# Altium PCB top_LM_v1.PcbDoc (part 3 of 5)
Units mil, origin at the board's own origin, x right, y up, seen from the top; angles counter-clockwise.
Board outline 13413.03 x 6200.01 mil, 2 copper layers (Top Layer, Bottom Layer); 748 components, 568 nets, 1910 pads, 545 vias.
Unrouted connection lines stored in the file: 211.
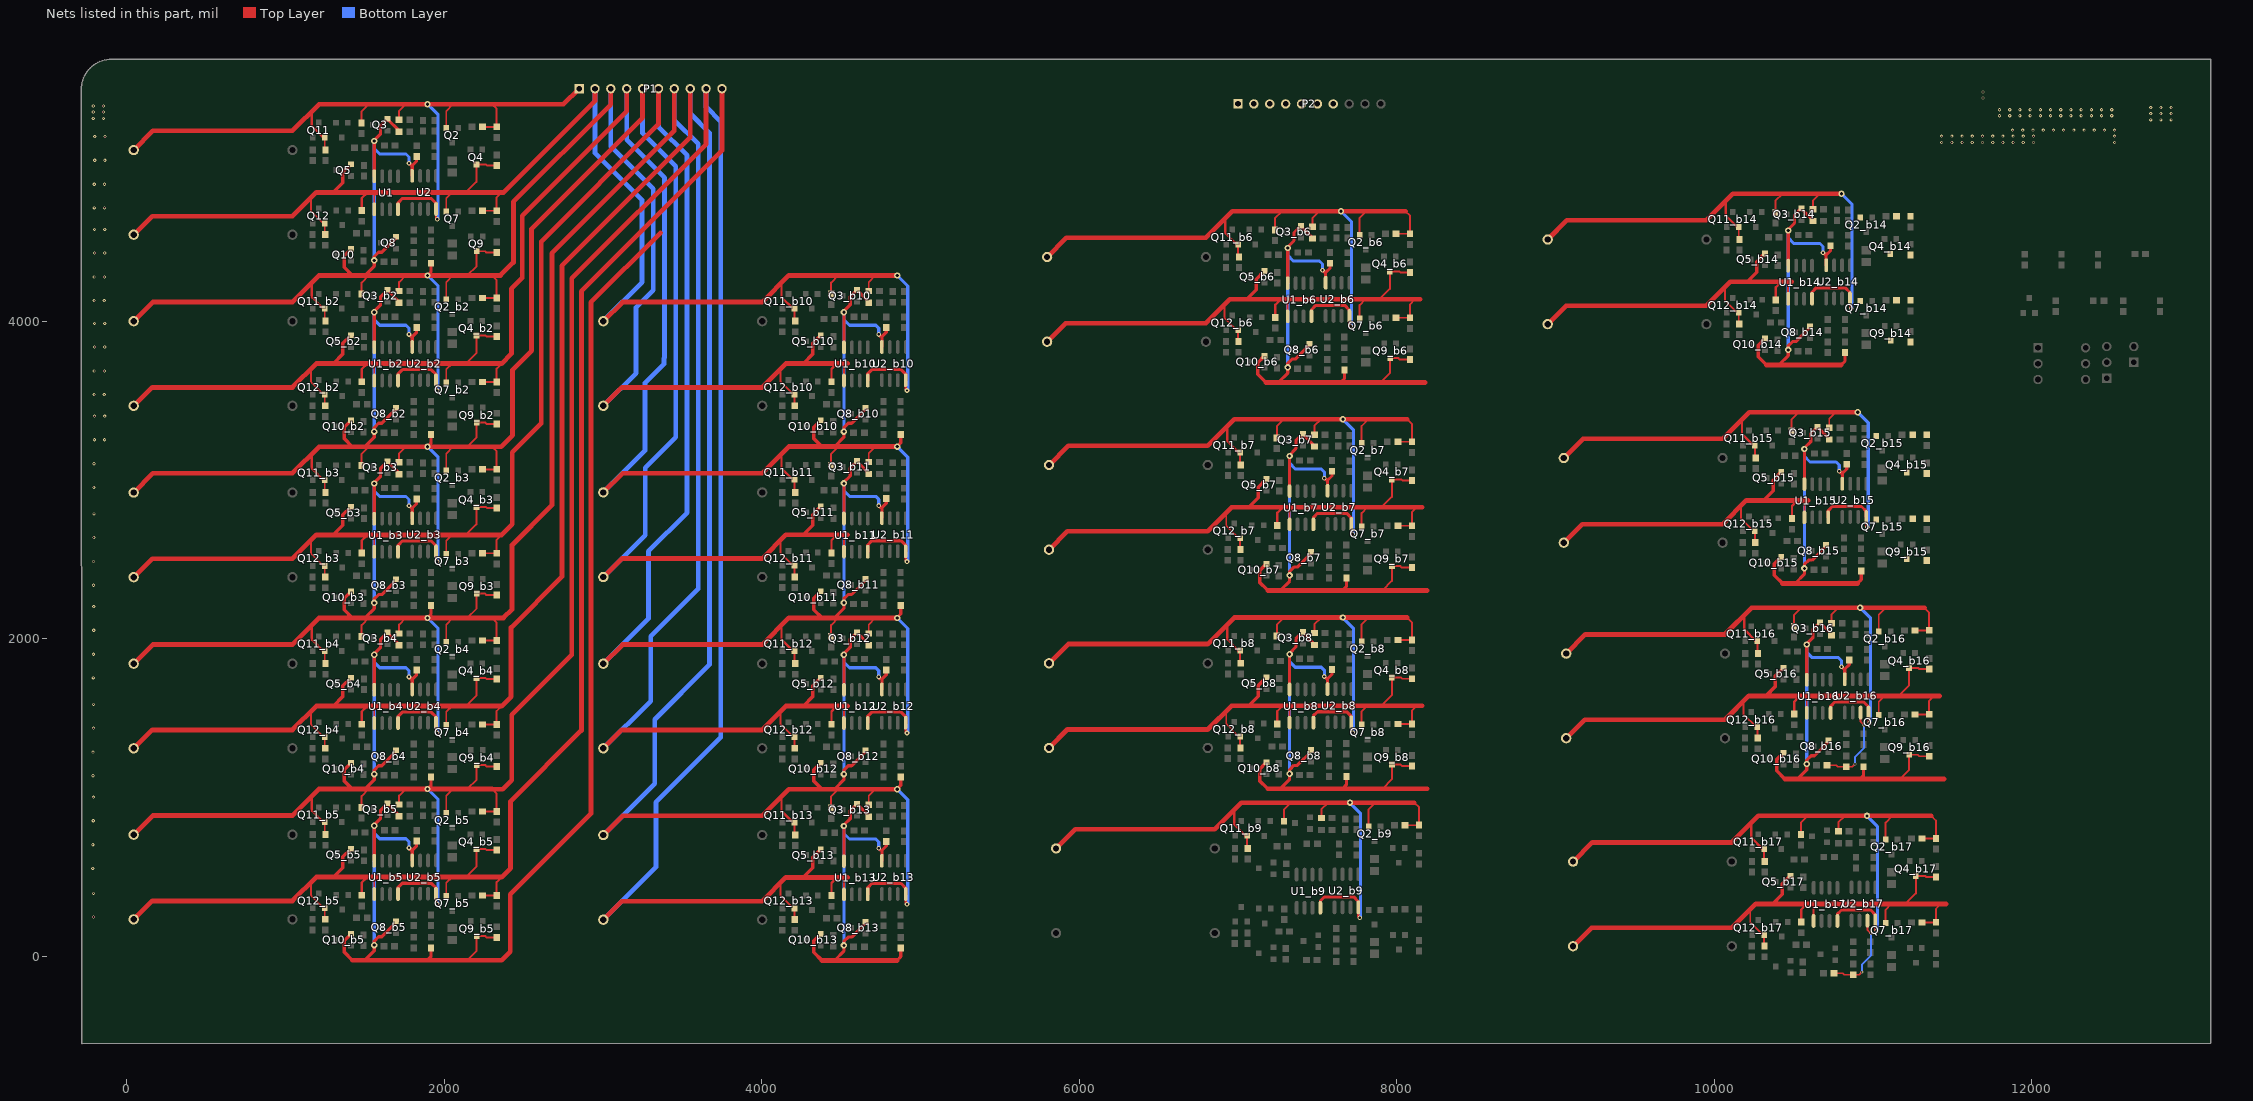
[diagram p3: the nets of this part, all layers, seen from the top]

## Via types
v1: diameter 20, hole 10, Top Layer to Bottom Layer, 458 vias
v2: diameter 40, hole 20, Top Layer to Bottom Layer, 51 vias
v3: diameter 30, hole 15, Top Layer to Bottom Layer, 34 vias
v4: diameter 125.98, hole 125.98, Top Layer to Bottom Layer, 2 vias

## Nets (pads, with @x,y where several pads share a name; then routed paths per layer and width w, separated by ;. In a path a pad name is that pad's centre, name@x,y a point inside that pad or via, vN(x,y) a via of type N, cw(c..) or ccw(c..) an arc to the next point about the centre after c; other vN are vias at no path point) (continued)
G1_VC2_DISCH_b16: R22_b16.1 R50_b16.2 U2_b16.7 | length 543.2
  Top Layer w12: R22_b16.1@10710.46,1203 10767,1203 10776.46,1193.54 R50_b16.2@10831,1193.54 10868.54,1193.54 v1(10886,1211) ; U2_b16.7@10921,1534.79 10921,1477 v1(10943,1455)
  Bottom Layer w12: v1(10886,1211) 10886,1256 10943,1313 v1(10943,1455)
G1_VC2_DISCH_b17: R22_b17.1 R50_b17.2 U2_b17.7 | length 543.2
  Top Layer w12: R22_b17.1@10753.46,-107 10810,-107 10819.46,-116.46 R50_b17.2@10874,-116.46 10911.54,-116.46 v1(10929,-99) ; U2_b17.7@10964,224.79 10964,167 v1(10986,145)
  Bottom Layer w12: v1(10929,-99) 10929,-54 10986,3 v1(10986,145)
GND: 
  other v1: -208.25,247 -208,396 -212.25,553 -212,702 -209.25,853 -209,1002 -211.25,1137 -211,1286 -208.25,1437 -208,1586 -209.25,1753 -209,1902 -206.25,2053 -206,2202 -208.25,2337 -208,2486 -205.25,2637 -205,2786 -205.25,2953 -205,3102 -202.25,3253 -138,3253 -202,3402 -137.75,3402 -204.25,3537 -140,3537 -204,3686 -139.75,3686 -201.25,3837 -137,3837 -201,3986 -136.75,3986 -204.25,4129 -140,4129 -204,4278 -139.75,4278 -201.25,4429 -137,4429 -201,4578 -136.75,4578 -203.25,4713 -139,4713 -203,4862 -138.75,4862 -200.25,5013 -136,5013 11431.5,5125 11495.75,5125 11560,5125 11624.25,5125 11688.5,5125 11752.75,5125 11817,5125 11881.25,5125 11945.5,5125 12009.75,5125 12521,5125 -200,5162 -135.75,5162 11431.5,5165 11495.75,5165 11560,5165 11624.25,5165 11688.5,5165 11752.75,5165 11817,5165 11881.25,5165 11945.5,5165 12009.75,5165 12521,5165 11878.5,5203 11942.75,5203 12007,5203 12071.25,5203 12135.5,5203 12199.75,5203 12264,5203 12328.25,5203 12392.5,5203 12456.75,5203 12521,5203 12748,5267 12812.25,5267 12876.5,5267 -210,5277 -145.75,5277 11796,5293 11860.25,5293 11924.5,5293 11988.75,5293 12053,5293 12117.25,5293 12181.5,5293 12245.75,5293 12310,5293 12374.25,5293 12438.5,5293 12502.75,5293 12748,5307 12812.25,5307 12876.5,5307 -210,5317 -145.75,5317 11796,5331 11860.25,5331 11924.5,5331 11988.75,5331 12053,5331 12117.25,5331 12181.5,5331 12245.75,5331 12310,5331 12374.25,5331 12438.5,5331 12502.75,5331 12748,5345 12812.25,5345 12876.5,5345 -210,5355 -145.75,5355 11692,5405 11692,5443
IN_A0: P1.1 Q2.2 Q11.2 R1.2 R6.2 R7.2 R8.2 R9.2 R40.1 U1.8 U2.8 | length 5067.1
  Top Layer w12: Q11.2@1248.4,5157 1248.4,5082.32 R40.1@1253,5077.72 ; R6.2@1479.87,5248.46 1479.87,5320.79 1524.61,5365.54 ; R9.2@1716.54,5268.26 1716.54,5324.07 1758,5365.54 ; Q2.2@2013.26,5216 Q2.2@2013.46,5215.8 2013.46,5323 2056,5365.54 ; R7.2@2242.33,5223.54 2330.4,5223.54 R8.2@2330.87,5224 2330.87,5335.92 2301.25,5365.54
  Top Layer w15: 1167,5314.79 1167,5228.82 Q11.2@1238.82,5157 ; U2.8@1949,4706.05 1949,4649.26 v3(1957,4641.26)
  Top Layer w20: Q11.2@1238.82,5157 Q11.2@1248.4,5157 ; U1.8@1710,4703.77 1710,4746.26 1736,4772.26 1920,4772.26 1949,4743.26 U2.8@1949,4706.05
  Top Layer w30: R1.2@45,5077.26 166.02,5198.28 1045,5198.28 1212.25,5365.54 1524.61,5365.54 1758,5365.54 v2(1895.87,5365.54) 2056,5365.54 2301.25,5365.54 2751.54,5365.54 P1.1@2850,5464
  Bottom Layer w20: v2(1895.87,5365.54) 1962,5299.4 1962,4646.26 v3(1957,4641.26)
IN_A1: P1.3 Q2_b2.2 Q3.2 Q5_b10.2 Q8.2 Q9.3 Q10.2 Q11_b2.2 Q12_b10.2 R1_b2.2 R6_b2.2 R7_b2.2 R8_b2.2 R9_b2.2 R12.1 R14_b10.2 R19_b10.2 R24.1 R40_b2.1 R42_b10.1 R44.2 R48.2 U1.4 U1_b2.8 U1_b10.5 U2.4 U2_b2.8 | length 14139.1
  Top Layer w12: Q11_b2.2@1248.4,4079 1248.4,4004.32 R40_b2.1@1253,3999.72 ; R6_b2.2@1479.87,4170.46 1479.87,4242.79 1524.54,4287.46 1524.61,4287.54 ; R9_b2.2@1716.54,4190.26 1716.54,4246.07 1757.93,4287.46 1758,4287.54 ; Q2_b2.2@2013.26,4138 Q2_b2.2@2013.46,4137.8 2013.46,4245 2055.93,4287.46 2056,4287.54 ; 2145.25,4287.46 2145.32,4287.54 2204.87,4347.08 Q9.3@2204.87,4440.28 2257.61,4440.28 2266.81,4431.07 R24.1@2330.87,4431.07 ; R7_b2.2@2242.33,4145.54 2330.4,4145.54 R8_b2.2@2330.87,4146 2330.87,4257.92 2301.32,4287.46 2301.25,4287.54 ; 4119,3697.04 4119,3617.26 4198.26,3538 Q12_b10.2@4206.4,3538 4206.4,3469.32 R42_b10.1@4209,3466.72 ; U1_b10.5@4518,3625.77 4518,3710.54 4540,3732.54
  Top Layer w15: 1167,4236.79 1167,4150.82 Q11_b2.2@1238.82,4079 ; U2_b2.8@1949,3628.05 1949,3571.26 v3(1957,3563.26) ; R19_b10.2@4439.87,3618 4439.87,3697.54 4474.87,3732.54 4478.87,3732.54
  Top Layer w20: Q11_b2.2@1238.82,4079 Q11_b2.2@1248.4,4079 ; 1503.87,4290.07 1560,4346.2 v2(1560,4382.26) 1560,4407.26 1587,4434.26 1608.44,4434.26 1696.26,4522.08 Q8.2@1696.26,4531.66 ; 1523.87,4286.54 1524.8,4287.46 ; U1.4@1560,4912.75 v2(1560,5134.26) 1560,5140.26 1600,5180.26 1600,5231.4 Q3.2@1643.26,5274.66 1643.26,5271.91 1716.54,5198.64 R12.1@1716.54,5193.26 ; U1_b2.8@1710,3625.77 1710,3668.26 1736,3694.26 1920,3694.26 1949,3665.26 U2_b2.8@1949,3628.05 ; v3(1779,4994.26) 1793,4980.26 1799,4980.26 ; U2.4@1799,4915.02 1799,4980.26 ; R48.2@1827,5037.8 1827,5008.26 1799,4980.26 ; v2@1894,4287.46 1894.07,4287.54 1918,4311.46 R44.2@1918,4364.8
  Top Layer w22: Q10.2@1414.13,4453.94 1370.87,4410.68 1370.87,4338.54 1421.87,4287.54 1421.94,4287.46 ; 4260.87,3732.54 4320.87,3792.54 4320.87,3859.68 Q5_b10.2@4372.13,3910.94
  Top Layer w30: R1_b2.2@45,3999.26 166.02,4120.28 1045,4120.28 1212.25,4287.54 1421.87,4287.54 1524.61,4287.54 1758,4287.54 1894.07,4287.54 v2(1895.87,4287.54) 2056,4287.54 2145.32,4287.54 2289.07,4287.54 ; 1421.94,4287.46 1524.54,4287.46 1524.8,4287.46 1757.93,4287.46 1894,4287.46 2055.93,4287.46 2145.25,4287.46 2289,4287.46 ; 2301.25,4287.54 2289.07,4287.54 ; R14_b10.2@3003,3466.26 3119.28,3582.54 4003,3582.54 4153,3732.54 4260.87,3732.54 4474.87,3732.54 ; P1.3@3050,5464 3050,5363.58 2437,4750.58 2437,4369.46 2355,4287.46 2301.32,4287.46 2289,4287.46 ; 4478.87,3732.54 4540,3732.54 ; 2289,4287.46 2289.07,4287.54
  Bottom Layer w20: v2(1560,4382.26) 1560,5087.26 ; v2(1560,5134.26) 1560,5087.26 ; v3(1779,4994.26) 1779,5033.26 1760,5052.26 1595,5052.26 1560,5087.26 ; v2(1895.87,4287.54) 1962,4221.4 1962,3568.26 v3(1957,3563.26)
  Bottom Layer w30: R14_b10.2@3003,3466.26 3209,3672.26 3209,4086.26 3317.74,4195 3317.74,4832.74 3050,5100.47 P1.3@3050,5464
IN_A2: P1.5 Q2_b3.2 Q3_b2.2 Q5_b11.2 Q8_b2.2 Q9_b2.3 Q10_b2.2 Q11_b3.2 Q12_b11.2 R1_b3.2 R6_b3.2 R7_b3.2 R8_b3.2 R9_b3.2 R12_b2.1 R14_b11.2 R19_b11.2 R24_b2.1 R40_b3.1 R42_b11.1 R44_b2.2 R48_b2.2 U1_b2.4 U1_b3.8 U1_b11.5 U2_b2.4 U2_b3.8 | length 16414.5
  Top Layer w12: Q11_b3.2@1248.4,3000 1248.4,2925.32 R40_b3.1@1253,2920.72 ; R6_b3.2@1479.87,3091.46 1479.87,3163.79 1524.61,3208.54 ; R9_b3.2@1716.54,3111.26 1716.54,3167.07 1758,3208.54 ; Q2_b3.2@2013.26,3059 Q2_b3.2@2013.46,3058.8 2013.46,3166 2056,3208.54 ; 2145.25,3209.46 2204.87,3269.08 Q9_b2.3@2204.87,3362.28 2257.61,3362.28 2266.81,3353.07 R24_b2.1@2330.87,3353.07 ; R7_b3.2@2242.33,3066.54 2330.4,3066.54 R8_b3.2@2330.87,3067 2330.87,3178.92 2301.25,3208.54 ; 4119,2619.04 4119,2539.26 4198.26,2460 Q12_b11.2@4206.4,2460 4206.4,2391.32 R42_b11.1@4209,2388.72 ; U1_b11.5@4518,2547.77 4518,2632.54 4540,2654.54
  Top Layer w15: 1167,3157.79 1167,3071.82 Q11_b3.2@1238.82,3000 ; U2_b3.8@1949,2549.05 1949,2492.26 v3(1957,2484.26) ; R19_b11.2@4439.87,2540 4439.87,2619.54 4474.87,2654.54 4478.87,2654.54
  Top Layer w20: Q11_b3.2@1238.82,3000 Q11_b3.2@1248.4,3000 ; 1503.87,3212.07 1560,3268.2 v2(1560,3304.26) 1560,3329.26 1587,3356.26 1608.44,3356.26 1696.26,3444.08 Q8_b2.2@1696.26,3453.66 ; 1523.87,3208.54 1524.8,3209.46 ; U1_b2.4@1560,3834.75 v2(1560,4056.26) 1560,4062.26 1600,4102.26 1600,4153.4 Q3_b2.2@1643.26,4196.66 1643.26,4193.91 1716.54,4120.64 R12_b2.1@1716.54,4115.26 ; U1_b3.8@1710,2546.77 1710,2589.26 1736,2615.26 1920,2615.26 1949,2586.26 U2_b3.8@1949,2549.05 ; v3(1779,3916.26) 1793,3902.26 1799,3902.26 ; U2_b2.4@1799,3837.02 1799,3902.26 ; R48_b2.2@1827,3959.8 1827,3930.26 1799,3902.26 ; v2@1894,3209.46 1918,3233.46 R44_b2.2@1918,3286.8
  Top Layer w22: Q10_b2.2@1414.13,3375.94 1370.87,3332.68 1370.87,3260.54 1421.94,3209.46 ; 4260.87,2654.54 4320.87,2714.54 4320.87,2781.68 Q5_b11.2@4372.13,2832.94
  Top Layer w30: R1_b3.2@45,2920.26 166.02,3041.28 1045,3041.28 1212.25,3208.54 1523.87,3208.54 1524.61,3208.54 1758,3208.54 v2(1895.87,3208.54) 2056,3208.54 2301.25,3208.54 ; 1421.94,3209.46 1524.8,3209.46 1894,3209.46 2145.25,3209.46 2359,3209.46 2431,3281.46 2431,3694 2551,3814 2551,4581.74 3250,5280.74 P1.5@3250,5464 ; R14_b11.2@3003,2388.26 3119.28,2504.54 4003,2504.54 4153,2654.54 4260.87,2654.54 4474.87,2654.54 ; 4478.87,2654.54 4540,2654.54
  Bottom Layer w20: v2(1560,3304.26) 1560,4009.26 ; v2(1560,4056.26) 1560,4009.26 ; v3(1779,3916.26) 1779,3955.26 1760,3974.26 1595,3974.26 1560,4009.26 ; v2(1895.87,3208.54) 1962,3142.4 1962,2489.26 v3(1957,2484.26)
  Bottom Layer w30: R14_b11.2@3003,2388.26 3267,2652.26 3267,3077 3459.16,3269.16 3459.16,4974.16 3250,5183.31 P1.5@3250,5464
IN_A3: P1.7 Q2_b4.2 Q3_b3.2 Q5_b12.2 Q8_b3.2 Q9_b3.3 Q10_b3.2 Q11_b4.2 Q12_b12.2 R1_b4.2 R6_b4.2 R7_b4.2 R8_b4.2 R9_b4.2 R12_b3.1 R14_b12.2 R19_b12.2 R24_b3.1 R40_b4.1 R42_b12.1 R44_b3.2 R48_b3.2 U1_b3.4 U1_b4.8 U1_b12.5 U2_b3.4 U2_b4.8 | length 18698.5
  Top Layer w12: Q11_b4.2@1248.4,1922 1248.4,1847.32 R40_b4.1@1253,1842.72 ; R6_b4.2@1479.87,2013.46 1479.87,2085.79 1524.54,2130.46 1524.61,2130.54 ; R9_b4.2@1716.54,2033.26 1716.54,2089.07 1757.93,2130.46 1758,2130.54 ; Q2_b4.2@2013.26,1981 Q2_b4.2@2013.46,1980.8 2013.46,2088 2055.93,2130.46 2056,2130.54 ; 2145.25,2130.46 2145.32,2130.54 2204.87,2190.08 Q9_b3.3@2204.87,2283.28 2257.61,2283.28 2266.81,2274.07 R24_b3.1@2330.87,2274.07 ; R7_b4.2@2242.33,1988.54 2330.4,1988.54 R8_b4.2@2330.87,1989 2330.87,2100.92 2301.32,2130.46 2301.25,2130.54 ; 4119,1540.04 4119,1460.26 4198.26,1381 Q12_b12.2@4206.4,1381 4206.4,1312.32 R42_b12.1@4209,1309.72 ; U1_b12.5@4518,1468.77 4518,1553.54 4540,1575.54
  Top Layer w15: 1167,2079.79 1167,1993.82 Q11_b4.2@1238.82,1922 ; U2_b4.8@1949,1471.05 1949,1414.26 v3(1957,1406.26) ; R19_b12.2@4439.87,1461 4439.87,1540.54 4474.87,1575.54 4478.87,1575.54
  Top Layer w20: Q11_b4.2@1238.82,1922 Q11_b4.2@1248.4,1922 ; 1503.87,2133.07 1560,2189.2 v2(1560,2225.26) 1560,2250.26 1587,2277.26 1608.44,2277.26 1696.26,2365.08 Q8_b3.2@1696.26,2374.66 ; 1523.87,2129.54 1524.8,2130.46 ; U1_b3.4@1560,2755.75 v2(1560,2977.26) 1560,2983.26 1600,3023.26 1600,3074.4 Q3_b3.2@1643.26,3117.66 1643.26,3114.91 1716.54,3041.64 R12_b3.1@1716.54,3036.26 ; U1_b4.8@1710,1468.77 1710,1511.26 1736,1537.26 1920,1537.26 1949,1508.26 U2_b4.8@1949,1471.05 ; v3(1779,2837.26) 1793,2823.26 1799,2823.26 ; U2_b3.4@1799,2758.02 1799,2823.26 ; R48_b3.2@1827,2880.8 1827,2851.26 1799,2823.26 ; v2@1894,2130.46 1894.07,2130.54 1918,2154.46 R44_b3.2@1918,2207.8
  Top Layer w22: Q10_b3.2@1414.13,2296.94 1370.87,2253.68 1370.87,2181.54 1421.87,2130.54 1421.94,2130.46 ; 4260.87,1575.54 4320.87,1635.54 4320.87,1702.68 Q5_b12.2@4372.13,1753.94
  Top Layer w30: R1_b4.2@45,1842.26 166.02,1963.28 1045,1963.28 1212.25,2130.54 1421.87,2130.54 1524.61,2130.54 1758,2130.54 1894.07,2130.54 v2(1895.87,2130.54) 2056,2130.54 2145.32,2130.54 2301.25,2130.54 ; 1421.94,2130.46 1524.54,2130.46 1524.8,2130.46 1757.93,2130.46 1894,2130.46 2055.93,2130.46 2145.25,2130.46 2301.32,2130.46 2374,2130.46 2428,2184.46 2428,2590 2679,2841 2679,4426.89 3450,5197.89 P1.7@3450,5464 ; R14_b12.2@3003,1309.26 3119.28,1425.54 4003,1425.54 4153,1575.54 4260.87,1575.54 4474.87,1575.54 ; 4478.87,1575.54 4540,1575.54
  Bottom Layer w20: v2(1560,2225.26) 1560,2930.26 ; v2(1560,2977.26) 1560,2930.26 ; v3(1779,2837.26) 1779,2876.26 1760,2895.26 1595,2895.26 1560,2930.26 ; v2(1895.87,2130.54) 1962,2064.4 1962,1411.26 v3(1957,1406.26)
  Bottom Layer w30: R14_b12.2@3003,1309.26 3301,1607.26 3301,2014 3600.58,2313.58 3600.58,5115.58 3450,5266.16 P1.7@3450,5464
IN_A4: P1.9 Q2_b5.2 Q3_b4.2 Q5_b13.2 Q8_b4.2 Q9_b4.3 Q10_b4.2 Q11_b5.2 Q12_b13.2 R1_b5.2 R6_b5.2 R7_b5.2 R8_b5.2 R9_b5.2 R12_b4.1 R14_b13.2 R19_b13.2 R24_b4.1 R40_b5.1 R42_b13.1 R44_b4.2 R48_b4.2 U1_b4.4 U1_b5.8 U1_b13.5 U2_b4.4 U2_b5.8 | length 20970.3
  Top Layer w12: Q11_b5.2@1248.4,845 1248.4,770.32 R40_b5.1@1253,765.72 ; R6_b5.2@1479.87,936.46 1479.87,1008.79 1523.54,1052.46 1524.61,1053.54 ; R9_b5.2@1716.54,956.26 1716.54,1012.07 1756.93,1052.46 1758,1053.54 ; Q2_b5.2@2013.26,904 Q2_b5.2@2013.46,903.8 2013.46,1011 2054.93,1052.46 2056,1053.54 ; 2145.25,1052.46 2146.32,1053.54 2204.87,1112.08 Q9_b4.3@2204.87,1205.28 2257.61,1205.28 2266.81,1196.07 R24_b4.1@2330.87,1196.07 ; R7_b5.2@2242.33,911.54 2330.4,911.54 R8_b5.2@2330.87,912 2330.87,1023.92 2302.32,1052.46 2301.25,1053.54 ; 4119,461.04 4119,381.26 4198.26,302 Q12_b13.2@4206.4,302 4206.4,233.32 R42_b13.1@4209,230.72 ; U1_b13.5@4518,389.77 4518,474.54 4540,496.54
  Top Layer w15: 1167,1002.79 1167,916.82 Q11_b5.2@1238.82,845 ; U2_b5.8@1949,394.05 1949,337.26 v3(1957,329.26) ; R19_b13.2@4439.87,382 4439.87,461.54 4474.87,496.54 4478.87,496.54
  Top Layer w20: Q11_b5.2@1238.82,845 Q11_b5.2@1248.4,845 ; 1503.87,1055.07 1560,1111.2 v2(1560,1147.26) 1560,1172.26 1587,1199.26 1608.44,1199.26 1696.26,1287.08 Q8_b4.2@1696.26,1296.66 ; 1523.87,1051.54 1524.8,1052.46 ; U1_b4.4@1560,1677.75 v2(1560,1899.26) 1560,1905.26 1600,1945.26 1600,1996.4 Q3_b4.2@1643.26,2039.66 1643.26,2036.91 1716.54,1963.64 R12_b4.1@1716.54,1958.26 ; U1_b5.8@1710,391.77 1710,434.26 1736,460.26 1920,460.26 1949,431.26 U2_b5.8@1949,394.05 ; v3(1779,1759.26) 1793,1745.26 1799,1745.26 ; U2_b4.4@1799,1680.02 1799,1745.26 ; R48_b4.2@1827,1802.8 1827,1773.26 1799,1745.26 ; v2@1894,1052.46 1895.07,1053.54 1918,1076.46 R44_b4.2@1918,1129.8
  Top Layer w22: Q10_b4.2@1414.13,1218.94 1370.87,1175.68 1370.87,1103.54 1420.87,1053.54 1421.94,1052.46 ; 4260.87,496.54 4320.87,556.54 4320.87,623.68 Q5_b13.2@4372.13,674.94
  Top Layer w30: R1_b5.2@45,765.26 166.02,886.28 1045,886.28 1212.25,1053.54 1420.87,1053.54 1524.61,1053.54 1758,1053.54 1895.07,1053.54 v2(1895.87,1053.54) 2056,1053.54 2146.32,1053.54 2301.25,1053.54 ; 1421.94,1052.46 1523.54,1052.46 1524.8,1052.46 1756.93,1052.46 1894,1052.46 2054.93,1052.46 2145.25,1052.46 2302.32,1052.46 2370,1052.46 2426,1108.46 2426,1520 2804,1898 2804,4269.05 3650,5115.05 P1.9@3650,5464 ; R14_b13.2@3003,230.26 3119.28,346.54 4003,346.54 4153,496.54 4260.87,496.54 4474.87,496.54 ; 4478.87,496.54 4540,496.54
  Bottom Layer w20: v2(1560,1147.26) 1560,1852.26 ; v2(1560,1899.26) 1560,1852.26 ; v3(1779,1759.26) 1779,1798.26 1760,1817.26 1595,1817.26 1560,1852.26 ; v2(1895.87,1053.54) 1962,987.4 1962,334.26 v3(1957,329.26)
  Bottom Layer w30: R14_b13.2@3003,230.26 3334,561.26 3334,970 3742,1378 3742,5257 3650,5349 P1.9@3650,5464
IN_A5: P2.1 Q2_b6.2 Q3_b5.2 Q4_b14.3 Q5_b14.2 Q7_b14.2 Q8_b5.2 Q9_b5.3 Q10_b5.2 Q11_b6.2 Q12_b14.2 R1_b6.2 R6_b6.2 R7_b6.2 R8_b6.2 R9_b6.2 R12_b5.1 R13_b14.1 R14_b14.2 R19_b14.2 R20_b14.2 R21_b14.2 R24_b5.1 R40_b6.1 R42_b14.1 R44_b5.2 R48_b5.2 U1_b5.4 U1_b6.8 U1_b14.5 U2_b5.4 U2_b6.8 | length 15438.4
  Top Layer w12: 2145.25,-24.54 2204.87,35.08 Q9_b5.3@2204.87,128.28 2257.61,128.28 2266.81,119.07 R24_b5.1@2330.87,119.07 ; Q11_b6.2@7001.15,4483.46 7001.15,4408.79 R40_b6.1@7005.75,4404.19 ; R6_b6.2@7232.61,4574.93 7232.61,4647.25 7277.36,4692 ; R9_b6.2@7469.28,4594.72 7469.28,4650.54 7510.75,4692 ; Q2_b6.2@7766.01,4542.46 Q2_b6.2@7766.21,4542.26 7766.21,4649.46 7808.75,4692 ; R7_b6.2@7995.08,4550 8083.15,4550 R8_b6.2@8083.61,4550.46 8083.61,4662.39 8054,4692 ; 10066,4211.78 10066,4132 10145.26,4052.74 Q12_b14.2@10153.4,4052.74 10153.4,3984.06 R42_b14.1@10156,3981.46 ; U1_b14.5@10465,4140.51 10465,4225.28 10487,4247.28
  Top Layer w15: 6919.75,4641.25 6919.75,4555.28 Q11_b6.2@6991.57,4483.46 ; U2_b6.8@7701.75,4032.51 7701.75,3975.72 v3(7709.75,3967.72) ; R19_b14.2@10386.87,4132.74 10386.87,4212.28 10421.87,4247.28 10425.87,4247.28
  Top Layer w20: 1503.87,-21.93 1560,34.2 v2(1560,70.26) 1560,95.26 1587,122.26 1608.44,122.26 1696.26,210.08 Q8_b5.2@1696.26,219.66 ; 1523.87,-25.46 1524.8,-24.54 ; U1_b5.4@1560,600.75 v2(1560,822.26) 1560,828.26 1600,868.26 1600,919.4 Q3_b5.2@1643.26,962.66 1643.26,959.91 1716.54,886.64 R12_b5.1@1716.54,881.26 ; v3(1779,682.26) 1793,668.26 1799,668.26 ; U2_b5.4@1799,603.02 1799,668.26 ; R48_b5.2@1827,725.8 1827,696.26 1799,668.26 ; 1894,-24.54 1918,-0.54 R44_b5.2@1918,52.8 ; Q11_b6.2@6991.57,4483.46 Q11_b6.2@7001.15,4483.46 ; U1_b6.8@7462.75,4030.24 7462.75,4072.72 7488.75,4098.72 7672.75,4098.72 7701.75,4069.72 U2_b6.8@7701.75,4032.51
  Top Layer w22: Q10_b5.2@1414.13,141.94 1370.87,98.68 1370.87,26.54 1421.94,-24.54 ; 10207.87,4247.28 10267.87,4307.28 10267.87,4374.42 Q5_b14.2@10319.13,4425.68
  Top Layer w30: 1421.94,-24.54 1524.8,-24.54 1894,-24.54 2145.25,-24.54 2363,-24.54 2417,29.46 2417,390 2925,898 2925,4118 3363,4556 ; R1_b6.2@5797.75,4403.72 5918.77,4524.75 6797.75,4524.75 6965,4692 7277.36,4692 7510.75,4692 v2(7648.61,4692) 7808.75,4692 8054,4692 ; R14_b14.2@8950,3981 9066.28,4097.28 9950,4097.28 10100,4247.28 10207.87,4247.28 10421.87,4247.28 ; 10425.87,4247.28 10487,4247.28
  Bottom Layer w20: v2(1560,70.26) 1560,775.26 ; v2(1560,822.26) 1560,775.26 ; v3(1779,682.26) 1779,721.26 1760,740.26 1595,740.26 1560,775.26 ; v2(7648.61,4692) 7714.75,4625.87 7714.75,3972.72 v3(7709.75,3967.72)
IN_A6: P2.3 Q2_b7.2 Q3_b6.2 Q4_b15.3 Q5_b15.2 Q7_b15.2 Q8_b6.2 Q9_b6.3 Q10_b6.2 Q11_b7.2 Q12_b15.2 R1_b7.2 R6_b7.2 R7_b7.2 R8_b7.2 R9_b7.2 R12_b6.1 R13_b15.1 R14_b15.2 R19_b15.2 R20_b15.2 R21_b15.2 R24_b6.1 R40_b7.1 R42_b15.1 R44_b6.2 R48_b6.2 U1_b6.4 U1_b7.8 U1_b15.5 U2_b6.4 U2_b7.8 | length 10506.9
  Top Layer w12: Q11_b7.2@7013.15,3173.46 7013.15,3098.79 R40_b7.1@7017.75,3094.19 ; R6_b7.2@7244.61,3264.93 7244.61,3337.25 7289.36,3382 ; R9_b7.2@7481.28,3284.72 7481.28,3340.54 7522.75,3382 ; Q2_b7.2@7778.01,3232.46 Q2_b7.2@7778.21,3232.26 7778.21,3339.46 7820.75,3382 ; 7898,3613.93 7957.61,3673.54 Q9_b6.3@7957.61,3766.74 8010.35,3766.74 8019.56,3757.54 R24_b6.1@8083.61,3757.54 ; R7_b7.2@8007.08,3240 8095.15,3240 R8_b7.2@8095.61,3240.46 8095.61,3352.39 8066,3382 ; 10168,2835.52 10168,2755.74 10247.26,2676.48 Q12_b15.2@10255.4,2676.48 10255.4,2607.8 R42_b15.1@10258,2605.2 ; U1_b15.5@10567,2764.25 10567,2849.02 10589,2871.02
  Top Layer w15: 6931.75,3331.25 6931.75,3245.28 Q11_b7.2@7003.57,3173.46 ; U2_b7.8@7713.75,2722.51 7713.75,2665.72 v3(7721.75,2657.72) ; R19_b15.2@10488.87,2756.48 10488.87,2836.02 10523.87,2871.02 10527.87,2871.02
  Top Layer w20: Q11_b7.2@7003.57,3173.46 Q11_b7.2@7013.15,3173.46 ; 7256.61,3616.54 7312.75,3672.67 v2(7312.75,3708.72) 7312.75,3733.72 7339.75,3760.72 7361.19,3760.72 7449.01,3848.54 Q8_b6.2@7449.01,3858.13 ; 7276.61,3613 7277.54,3613.93 ; U1_b6.4@7312.75,4239.21 v2(7312.75,4460.72) 7312.75,4466.72 7352.75,4506.72 7352.75,4557.87 Q3_b6.2@7396.01,4601.13 7396.01,4598.38 7469.28,4525.1 R12_b6.1@7469.28,4519.72 ; U1_b7.8@7474.75,2720.24 7474.75,2762.72 7500.75,2788.72 7684.75,2788.72 7713.75,2759.72 U2_b7.8@7713.75,2722.51 ; v3(7531.75,4320.72) 7545.75,4306.72 7551.75,4306.72 ; U2_b6.4@7551.75,4241.49 7551.75,4306.72 ; R48_b6.2@7579.75,4364.26 7579.75,4334.72 7551.75,4306.72 ; 7646.75,3613.93 7670.75,3637.93 R44_b6.2@7670.75,3691.26
  Top Layer w22: Q10_b6.2@7166.87,3780.4 7123.61,3737.14 7123.61,3665 7174.69,3613.93 ; 10309.87,2871.02 10369.87,2931.02 10369.87,2998.16 Q5_b15.2@10421.13,3049.42
  Top Layer w30: R1_b7.2@5809.75,3093.72 5930.77,3214.75 6809.75,3214.75 6977,3382 7289.36,3382 7522.75,3382 v2(7660.61,3382) 7820.75,3382 8066,3382 ; 7174.69,3613.93 7277.54,3613.93 7646.75,3613.93 7898,3613.93 8179.07,3613.93 ; R14_b15.2@9052,2604.74 9168.28,2721.02 10052,2721.02 10202,2871.02 10309.87,2871.02 10523.87,2871.02 ; 10527.87,2871.02 10589,2871.02
  Bottom Layer w20: v2(7312.75,3708.72) 7312.75,4413.72 ; v2(7312.75,4460.72) 7312.75,4413.72 ; v3(7531.75,4320.72) 7531.75,4359.72 7512.75,4378.72 7347.75,4378.72 7312.75,4413.72 ; v2(7660.61,3382) 7726.75,3315.87 7726.75,2662.72 v3(7721.75,2657.72)
IN_A7: P2.5 Q2_b8.2 Q3_b7.2 Q4_b16.3 Q5_b16.2 Q7_b16.2 Q8_b7.2 Q9_b7.3 Q10_b7.2 Q11_b8.2 Q12_b16.2 R1_b8.2 R6_b8.2 R7_b8.2 R8_b8.2 R9_b8.2 R12_b7.1 R13_b16.1 R14_b16.2 R19_b16.2 R20_b16.2 R21_b16.2 R24_b7.1 R40_b8.1 R42_b16.1 R44_b7.2 R48_b7.2 U1_b7.4 U1_b8.8 U1_b16.5 U2_b7.4 U2_b8.8 | length 12005.7
  Top Layer w12: Q11_b8.2@7013.15,1924.46 7013.15,1849.79 R40_b8.1@7017.75,1845.19 ; R6_b8.2@7244.61,2015.93 7244.61,2088.25 7289.36,2133 ; R9_b8.2@7481.28,2035.72 7481.28,2091.54 7522.75,2133 ; Q2_b8.2@7778.01,1983.46 Q2_b8.2@7778.21,1983.26 7778.21,2090.46 7820.75,2133 ; 7910,2303.93 7969.61,2363.54 Q9_b7.3@7969.61,2456.74 8022.35,2456.74 8031.56,2447.54 R24_b7.1@8095.61,2447.54 ; R7_b8.2@8007.08,1991 8095.15,1991 R8_b8.2@8095.61,1991.46 8095.61,2103.39 8066,2133 ; 10183,1603.78 10183,1524 10262.26,1444.74 Q12_b16.2@10270.4,1444.74 10270.4,1376.06 R42_b16.1@10273,1373.46 ; U1_b16.5@10582,1532.51 10582,1617.28 10604,1639.28 ; Q7_b16.2@11035.46,1519.54 11035.46,1602.87 11071.87,1639.28 ; 11159.87,1639.28 11225.87,1705.28 Q4_b16.3@11225.87,1816.02 11284.13,1816.02 11291.33,1808.81 R13_b16.1@11352.87,1808.81 ; R20_b16.2@11264.8,1523.74 R21_b16.2@11352.87,1523.74 11352.87,1608.28 11383.87,1639.28